# Altium PCB P22296-1-DES-1.2.PcbDoc (part 3 of 5) (continued)
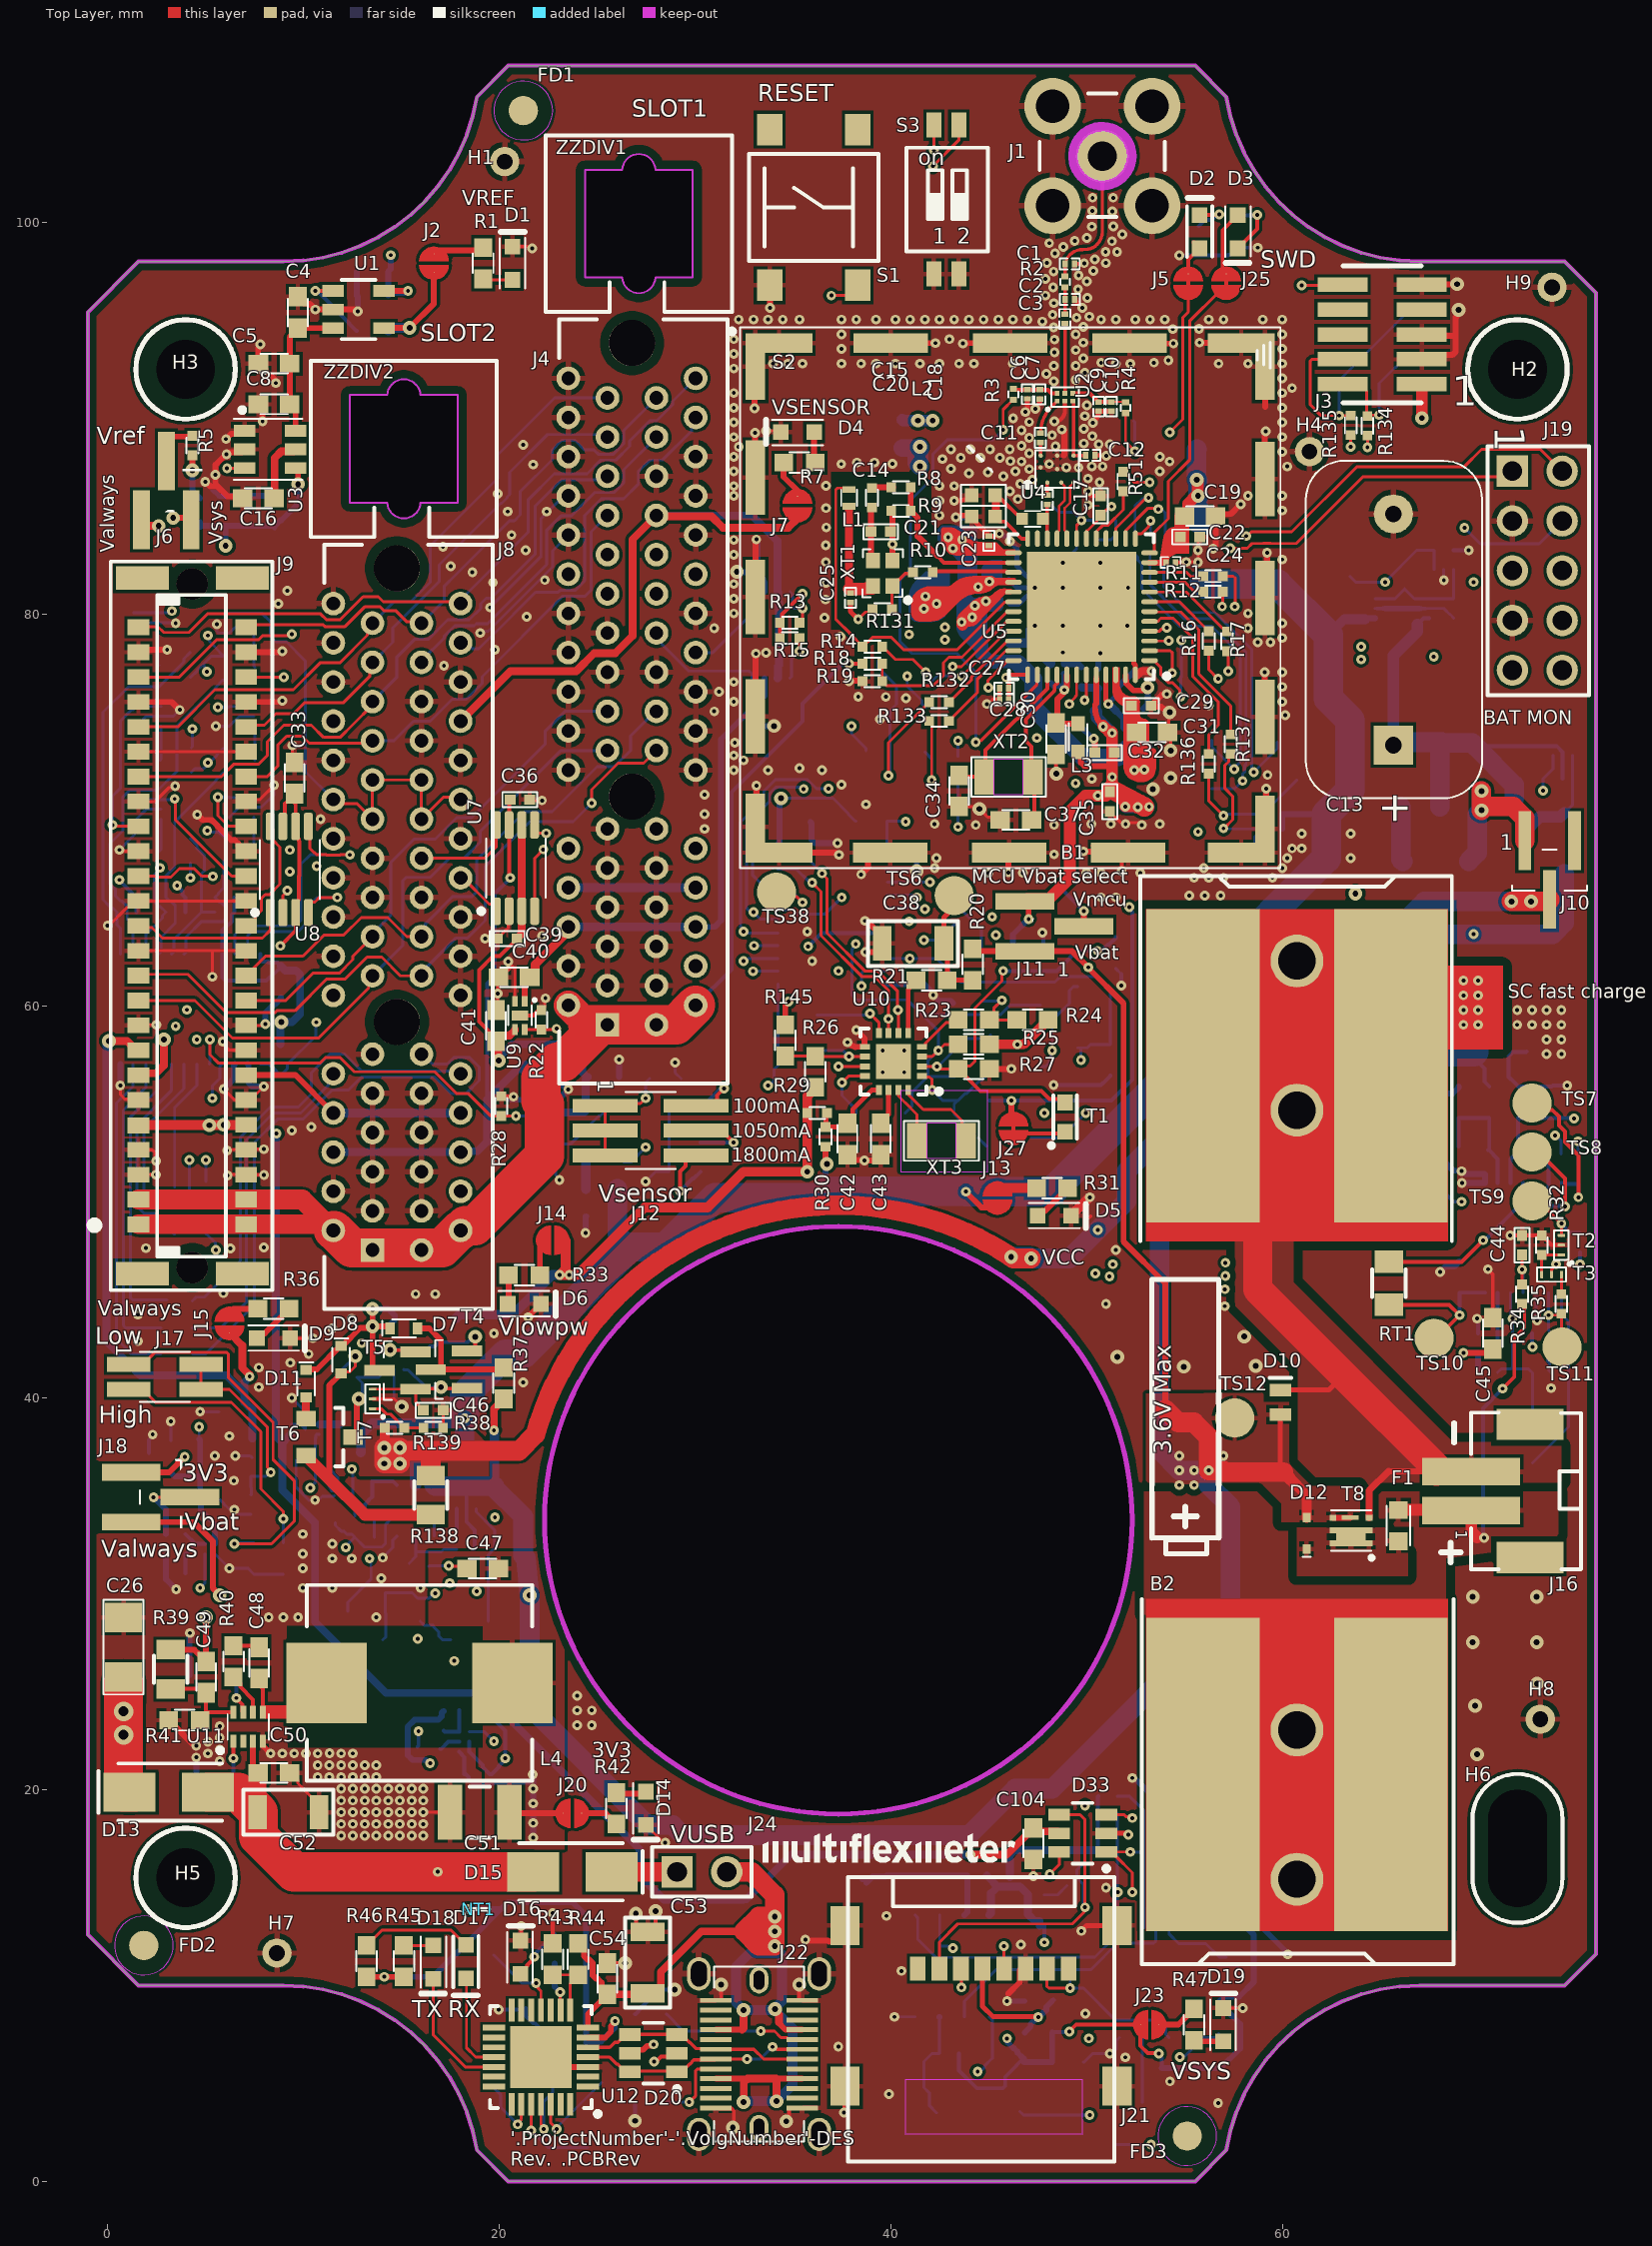
[diagram p0: Top Layer view]
## Nets (pads, with @x,y where several pads share a name; then routed paths per layer and width w, separated by ;. In a path a pad name is that pad's centre, name@x,y a point inside that pad or via, vN(x,y) a via of type N, cw(c..) or ccw(c..) an arc to the next point about the centre after c; other vN are vias at no path point) (continued)
  other v2: 69.938,21.798 69.838,24.284 72.996,25.408 69.713,27.524 72.978,27.524 69.713,29.838 72.978,29.838 54.964,41.585 58.638,41.622 51.564,42.088 58.05,43.125 53.388,71.066 54.288,71.641
  other v3: 39.588,56.616 40.688,56.616 39.588,57.716 40.688,57.716
I2C_bus.SCL: R15.1 R133.1 TS5.1 U7.5 U8.5 U13.5 U15.22 | length 65.5
  Top Layer w0.15: U8.5@10.263,69.166 10.331,69.098 10.331,68.357 10.338,68.351 10.338,68.041 10.539,67.839 10.569,67.839 10.693,67.716 11.19,67.716 11.194,67.712 11.881,67.712 11.885,67.716 v1(12.388,67.716) ; U7.5@21.813,69.241 21.813,68.963 21.96,68.816 v1(22.413,68.816) ; v1(35.338,78.114) R15.1@35.338,78.791 ; R133.1@41.963,74.547 42.088,74.422 v1(42.088,71.532)
  Layer 2 w0.15: v1(22.413,68.816) 22.413,69.267 24.713,71.567 24.713,72.694 24.709,72.698 24.709,73.384 25.236,73.912 26.005,73.912 26.667,74.573 26.667,75.095 27.442,75.87 28.463,75.87 29.505,76.912 31.158,76.912 32.987,78.741 34.71,78.741 v1(35.338,78.114)
  Layer 3 w0.15: v1(12.388,67.716) 12.388,67.288 13.005,66.67 16.417,66.67 17.417,67.67 18.339,67.67 18.96,68.291 21.217,68.291 21.542,68.616 22.15,68.616 22.349,68.816 v1(22.413,68.816) ; v1(35.338,78.114) 36.356,78.114 36.516,78.274 38.85,78.274 38.938,78.186 38.938,71.941 39.667,71.211 41.767,71.211 v1(42.088,71.532)
  Bottom Layer w0.15: U15.22@6.513,62.641 6.513,63.649 6.955,64.091 9.613,64.091 9.886,64.363 9.886,67.235 10.367,67.716 11.19,67.716 11.194,67.712 11.881,67.712 11.885,67.716 v1(12.388,67.716) ; U13.5@34.863,76.741 34.926,76.805 34.926,77.703 v1(35.338,78.114) ; TS5.1@41.738,72.966 42.088,72.616 v1(42.088,71.532)
I2C_bus.SDA: R13.1 R132.1 TS4.1 U7.4 U8.4 U13.4 U15.23 | length 70.6
  Top Layer w0.15: U8.4@10.263,64.766 10.263,65.159 10.41,65.306 10.6,65.306 10.835,65.541 v1(11.735,65.541) ; U7.4@21.813,64.841 21.813,67.541 v1(22.263,67.991) ; R13.1@35.338,79.566 35.488,79.716 v1@35.488,80.278 ; v1(39.888,71.752) 39.888,73.436 R132.1@41.963,75.511
  Layer 2 w0.15: v1(22.263,67.991) 22.228,68.025 22.228,68.328 21.938,68.619 21.938,69.216 24.363,71.641 24.363,71.694 24.367,71.698 24.367,72.384 24.363,72.388 24.363,73.216 24.409,73.262 24.409,73.509 25.112,74.212 25.881,74.212 26.367,74.698 26.367,75.219 27.317,76.17 28.339,76.17 29.381,77.212 31.034,77.212 33.013,79.191 34.388,79.191 v1(35.488,80.291)
  Layer 3 w0.15: v1(11.735,65.541) 12.365,65.541 13.194,66.37 16.542,66.37 17.542,67.37 18.463,67.37 19.084,67.991 21.341,67.991 21.666,68.316 21.937,68.316 v1(22.263,67.991) ; v1(35.488,80.291) 35.504,80.275 35.504,79.935 36.119,79.32 37.72,79.32 37.895,79.145 39.402,79.145 40.257,78.29 40.257,72.122 v1(39.888,71.752)
  Bottom Layer w0.15: U15.23@7.163,62.641 7.163,63.588 7.366,63.791 9.738,63.791 10.238,64.291 10.238,65.041 10.738,65.541 v1(11.735,65.541) ; U13.4@34.863,81.141 34.978,81.026 34.978,80.379 35.066,80.291 v1(35.488,80.291) ; TS4.1@39.444,77.689 39.339,77.584 39.339,77.293 40.293,76.338 40.293,75.4 39.963,75.069 39.963,72.015 39.955,72.007 39.955,71.819 v1(39.888,71.752)
I2C_bus_ext.SCL_11: J9.B13 U8.8 | length 6.2
  Top Layer w0.15: J9.B13@7.088,64.091 7.238,64.091 7.563,64.416 7.563,64.566 7.738,64.741 7.738,64.743 7.863,64.868 7.863,65.493 8.06,65.691 8.288,65.691 8.813,66.216 8.813,68.103 8.439,68.476 8.439,69.039 U8.8@8.313,69.166
I2C_bus_ext.SDA_11: J9.A13 U8.1 | length 8
  Top Layer w0.15: J9.A13@1.588,64.091 1.681,63.997 2.275,63.997 2.806,63.466 7.913,63.466 8.313,63.866 U8.1@8.313,64.766
I2C_sys.SCL: J19.9 R72.1 R91.2 R137.1 TS24.1 U10.7 U14.22 | length 105.6
  Top Layer w0.15: v1(35.988,66.291) 36.443,65.836 36.443,63.591 38.543,61.491 39.197,61.491 39.888,60.801 v1(39.888,59.341) U10.7@39.888,58.616 ; v1(56.988,69.066) 57.009,69.066 57.463,69.519 57.463,70.703 57.063,71.103 57.063,72.288 57.252,72.477 57.252,72.752 R137.1@57.363,72.864
  Layer 2 w0.15: J19.9@71.742,77.141 71.504,76.903 71.504,69.788 70.713,68.997 70.713,58.459 73.919,55.253 v1(73.919,53.381)
  Layer 3 w0.15: v1(35.988,66.291) 37.263,66.291 39.338,68.366 50.034,68.366 50.284,68.116 56.463,68.116 56.988,68.641 v1(56.988,69.066) ; v1(39.888,59.341) 39.919,59.31 40.559,59.31 40.718,59.468 65.886,59.468 71.973,53.381 v1@73.912,53.381
  Bottom Layer w0.15: U14.22@34.238,66.974 35.192,66.974 35.808,66.358 35.921,66.358 v1(35.988,66.291) ; v1(56.988,69.066) 57.013,69.041 R72.1@58.988,69.041 58.579,68.632 58.579,67.882 TS24.1@58.3,67.603 TS24.1@58.238,67.541 ; v1(73.919,53.381) 73.958,53.381 74.212,53.127 R91.2@74.212,52.447
I2C_sys.SDA: J19.10 R70.1 R92.2 R136.1 TS26.1 U10.6 U14.23 | length 107.8
  Top Layer w0.15: v1(36.49,66.766) 36.49,66.756 36.743,66.503 36.743,63.716 38.667,61.791 39.321,61.791 40.332,60.78 40.332,59.815 v1(40.363,59.785) 40.388,59.76 U10.6@40.388,58.616 ; R136.1@56.238,71.864 56.238,70.466 v1(56.988,69.716)
  Layer 2 w0.15: J19.10@74.282,77.141 74.282,74.979 72.025,72.722 72.025,69.712 71.113,68.799 71.113,58.701 74.063,55.751 74.063,55.75 74.341,55.472 74.342,55.472 75.354,54.46 75.354,53.373 v1@75.081,53.099
  Layer 3 w0.15: v1(36.49,66.766) 36.557,66.699 36.689,66.699 36.725,66.662 37.21,66.662 39.213,68.666 50.159,68.666 50.409,68.416 56.263,68.416 56.513,68.666 56.513,69.263 56.966,69.716 v1(56.988,69.716) ; v1(40.363,59.785) 61.744,59.785 61.76,59.768 66.01,59.768 71.922,53.856 74.324,53.856 v1@75.109,53.071
  Bottom Layer w0.15: U14.23@34.238,67.624 35.655,67.624 36.49,66.789 v1(36.49,66.766) ; v1@57.157,69.791 R70.1@58.988,69.791 59.163,69.966 TS26.1@60.738,71.541 ; R92.2@75.089,51.89 v1(75.089,53.091)
I/O_EXP_I\R\Q\_4: R71.1 U5.4 U14.1 | length 25.3
  Top Layer w0.15: U5.4@53.214,79.133 53.223,79.142 53.721,79.142 53.828,79.249 54.03,79.249 v1(54.097,79.316)
  Layer 2 w0.15: v1(40.763,69.416) 41.138,69.791 41.138,74.792 42.538,76.192 42.538,78.428 42.763,78.653 v1(42.763,78.691)
  Layer 3 w0.15: v1(42.763,78.691) 44.384,78.691 45.652,79.958 53.455,79.958 v1(54.097,79.316)
  Bottom Layer w0.15: U14.1@39.838,68.274 39.814,68.298 R71.1@39.814,69.433 40.745,69.433 v1(40.763,69.416)
INT1_11: J4.A21 J4.A22 J4.A23 J4.B21 J4.B22 J4.B23 R59.2 T11.G | length 36.1
  Layer 2 w0.15: J4.A22@23.538,82.041 24.538,83.041 J4.A23@25.538,83.041 J4.A21@25.538,81.041 J4.B21@28.038,81.041 J4.B23@28.038,83.041 29.038,82.041 J4.B22@30.038,82.041
  Layer 3 w0.15: v1(3.29,80.16) 5.549,80.16 5.955,80.566 8.041,80.566 8.541,80.066 8.934,80.066 9.434,80.566 10.39,80.566 11.194,81.37 11.881,81.37 12.685,80.566 16.89,80.566 17.694,81.37 18.381,81.37 18.935,80.816 19.734,80.816 19.984,80.566 22.063,80.566 J4.A22@23.538,82.041
  Bottom Layer w0.15: R59.2@1.33,80.07 3.105,80.07 3.196,80.16 v1(3.29,80.16)
INT2_11: J8.A21 J8.A22 J8.A23 J8.B21 J8.B22 J8.B23 R60.2 T12.G | length 24.4
  Top Layer w0.15: J8.A22@11.538,70.541 11.74,70.339 12.74,70.339 J8.A21@13.538,69.541 J8.A23@13.538,71.541 J8.B23@16.038,71.541 J8.B21@16.038,69.541 17.163,70.666 17.913,70.666 J8.B22@18.038,70.541
  Bottom Layer w0.15: R60.2@6.238,80.041 T12.G@7.488,80.041 7.906,80.041 8.324,79.623 8.324,78.872 8.605,78.591 9.134,78.591 10.113,77.613 10.113,71.966 J8.A22@11.538,70.541
INT3_11: J9.A17 R64.2 T13.G | length 9.2
  Top Layer w0.15: v1(0.263,69.241) 0.357,69.241 0.427,69.171 J9.A17@1.588,69.171
  Bottom Layer w0.15: v1(0.263,69.241) 0.263,70.712 0.66,71.109 0.66,74.541 1.235,75.116 1.313,75.116 R64.2@1.488,75.291 T13.G@2.738,75.291
INT4_11: J9.A15 R63.2 T14.G | length 15.2
  Top Layer w0.15: J9.A15@1.588,66.631 2.434,66.631 2.491,66.575 3.242,66.575 3.683,67.016 4.434,67.016 4.819,66.631 5.369,66.631 v1(5.386,66.614)
  Layer 2 w0.15: v1(5.386,66.614) 6.138,67.366 6.138,74.719 5.672,75.185 5.672,75.219 v1(5.638,75.253)
  Bottom Layer w0.15: v1(5.638,75.253) 6.2,75.253 R63.2@6.238,75.291 T14.G@7.488,75.291
INT5_11: J9.B15 R69.2 T16.G | length 7.8
  Top Layer w0.15: v1(3.438,70.57) 3.479,70.529 3.479,69.5 6.348,66.631 J9.B15@7.088,66.631
  Bottom Layer w0.15: R69.2@1.488,70.541 T16.G@2.738,70.541 3.409,70.541 v1(3.438,70.57)
INT6_11: J9.B17 R68.2 T15.G | length 4.5
  Top Layer w0.15: v1(5.638,70.666) 5.638,69.722 6.024,69.336 6.024,69.311 6.164,69.171 J9.B17@7.088,69.171
  Bottom Layer w0.15: v1(5.638,70.666) 6.217,70.666 R68.2@6.238,70.645 T15.G@7.488,70.645
LOADSW1_11: R22.2 U9.4 U15.4 | length 23.9
  Top Layer w0.15: U9.4@21.313,58.791 22.884,58.791 v1(22.934,58.841)
  Layer 3 w0.15: v1(5.363,55.291) 5.363,56.391 5.602,56.63 10.454,56.63 11.194,57.37 11.881,57.37 12.621,56.63 16.686,56.63 18.896,58.841 v1(22.934,58.841)
  Bottom Layer w0.15: v1(5.363,55.291) 5.363,55.923 5.738,56.298 5.738,56.916 U15.4@5.863,57.041
LOADSW2_11: R28.2 U15.5 U16.4 | length 19.7
  Top Layer w0.15: v1(5.238,58.291) 5.238,57.516 5.658,57.096 10.868,57.096 11.142,57.37 11.881,57.37 12.61,56.641 16.713,56.641 17.813,55.541 18.413,55.541 19.563,54.391 R28.2@20.113,54.391 v1(20.863,54.391)
  Bottom Layer w0.15: U15.5@5.213,57.041 5.238,57.066 v1(5.238,58.291) ; v1(20.863,54.391) U16.4@21.363,54.391
MCU_IRQd\e\t\e\c\t\: R80.1 TS28.1 U5.1 U10.11 | length 52.8
  Top Layer w0.15: v1(37.338,56.916) U10.11@38.688,56.916 ; U5.1@53.214,77.633 53.487,77.633 53.533,77.587 53.533,77.536 53.789,77.28 53.789,76.905 54.181,76.513 54.375,76.513 54.763,76.124 54.763,75.808 v1(54.791,75.78)
  Layer 2 w0.15: v1(37.338,56.916) 37.395,56.974 37.395,57.737 37.313,57.82 37.313,58.342 37.338,58.367 v1(37.338,61.791) ; v1(41.688,63.366) 41.688,64.241 40.209,65.72 40.209,69.534 40.763,70.088 40.763,74.948 41.313,75.498 41.313,77.913 42.288,78.888 42.741,79.341 v1(42.763,79.341)
  Layer 3 w0.15: v1(37.338,61.791) 39.665,61.791 40.773,62.899 41.22,62.899 v1(41.688,63.366) ; v1(42.763,79.341) 42.857,79.341 42.986,79.213 43.006,79.213 43.177,79.041 44.155,79.041 45.372,80.258 54.22,80.258 54.845,79.634 54.845,78.673 v1(54.838,78.666)
  Bottom Layer w0.15: v1(41.688,63.366) 42.463,63.366 TS28.1@43.288,64.191 ; TS28.1@43.725,64.787 44.638,63.874 R80.1@44.638,62.841 ; v1(54.791,75.78) 54.796,75.785 54.796,76.761 54.84,76.804 54.84,77.198 54.838,77.2 v1(54.838,78.666)
MCU_R\S\T\: C17.2 J3.10 J19.6 R84.1 R88.1 TS13.1 TS34.1 U5.18 U10.1 | length 93.2
  Top Layer w0.15: U10.1@41.588,56.416 41.626,56.377 41.977,56.377 42.113,56.242 v1(42.113,55.716) ; U5.18@49.998,83.843 49.998,84.258 50.036,84.258 50.528,84.75 50.528,84.856 C17.2@50.713,85.041 ; C17.2@50.713,85.061 50.898,85.246 50.918,85.246 51.103,85.431 51.207,85.431 v1(51.274,85.498) v1@51.317,85.541 ; v1(60.988,96.791) 63.031,96.791 J3.10@63.063,96.822
  Layer 2 w0.15: v1(40.938,78.966) 40.374,78.402 40.374,77.05 40.305,76.981 40.305,75.51 40.388,75.426 40.388,70.138 39.909,69.658 39.909,64.157 41.689,62.377 41.689,60.356 41.888,60.157 41.888,56.719 42.113,56.494 v1(42.113,55.716) ; v1(60.988,96.791) 60.988,91.369 62.891,89.466 64.191,89.466 68.238,85.42 68.238,83.166 v1(69.763,81.641) 70.207,81.196 73.257,81.196 J19.6@74.282,82.221
  Layer 3 w0.15: v1(40.938,78.966) 41.444,78.966 42.536,80.058 43.988,81.51 43.988,82.291 44.938,83.241 49.513,83.241 51.274,85.003 v1(51.274,85.498) 51.274,87.403 51.763,87.891 51.763,89.066 59.488,96.791 v1(60.988,96.791)
  Bottom Layer w0.15: v1(42.113,55.716) 42.663,55.166 R88.1@43.458,55.166 ; R88.1@43.408,55.166 43.238,54.995 43.238,54.499 TS34.1@44.271,53.466 ; R88.1@43.433,55.166 43.808,55.541 43.891,55.541 44.541,56.191 44.658,56.191 R84.1@45.033,56.566 ; TS34.1@44.478,53.259 TS34.1@44.893,52.844 ; v1(60.988,96.791) 62.488,96.791 TS13.1@62.738,97.041
NetC1_2: C1.2 J1.1 R2.1 | length 7.3
  Top Layer w0.17: R2.1@48.898,97.247 48.898,97.762 cw(c49.716,97.762) 49.138,98.341 cw(c49.801,97.677) 49.801,98.616 49.805,98.62 49.943,98.62 ccw(c49.943,99.439) 50.522,98.86 ccw(c49.858,99.524) 50.797,99.524 50.801,99.528 J1.1@50.801,103.388
NetC2_2: C2.2 C3.1 R2.2 | length 1.2
  Top Layer w0.17: C3.1@48.893,95.307 48.893,95.91 R2.2@48.893,96.532
NetC3_2: C3.2 U2.5 | length 3.4
  Top Layer w0.17: U2.5@48.893,91.282 C3.2@48.893,94.707
NetC4_2: C4.2 C5.2 C8.2 U1.3 U3.6 | length 7.3
  Top Layer w0.3: U3.6@9.613,89.366 9.613,90.416 C8.2@9.313,90.716 C5.2@9.313,92.791 9.313,94.14 9.725,94.553 C4.2@9.725,94.603 U1.3@11.526,94.603
NetC6_2: C6.2 C7.2 R3.1 U2.6 | length 2.3
  Top Layer w0.2: R3.1@46.246,91.462 46.93,91.462 47.616,91.462 48.026,91.462 48.207,91.282 U2.6@48.493,91.282
NetC9_2: C9.2 C10.2 R4.1 U2.4 | length 2.9
  Top Layer w0.115: C10.2@51.269,90.837 51.971,90.837 R4.1@51.988,90.821
  Top Layer w0.2: U2.4@49.293,91.282 50.157,91.282 50.601,90.837 C9.2@50.612,90.837 C10.2@51.269,90.837
NetC11_1: C11.1 U4.C1 | length 0.6
  Top Layer w0.17: U4.C1@47.654,88.097 C11.1@47.654,88.682
NetC11_2: C11.2 U2.1 | length 1.9
  Top Layer w0.17: C11.2@47.654,89.282 cw(c49.489,89.282) 48.191,90.579 U2.1@48.493,90.882
NetC12_2: C12.2 U2.3 U4.C3 | length 3.4
  Top Layer w0.17: U2.3@49.293,90.882 cw(c49.196,90.784) 49.334,90.784 U4.C3@49.334,88.097 C12.2@49.914,88.097 ; C12.2@49.951,88.088 49.951,88.098 C12.2@49.951,88.12
NetC13_+: C13.+ D34.C R67.2 R144.2 T9.D T20.S TS21.1 | length 24.4
  Bottom Layer w0.2: 66.889,79.478 67.201,79.791 T9.D@67.488,79.791 ; 69.684,73.422 69.831,73.275 ; 69.847,73.259 74.004,73.259 74.303,72.96 T20.S@74.303,72.791 R144.2@74.303,71.591
  Bottom Layer w0.6: C13.+@65.662,73.316 65.662,77.897 66.889,79.124 66.889,79.478
  Bottom Layer w1: C13.+@65.662,73.316 65.812,73.466 TS21.1@68.138,73.466 ; R67.2@68.042,70.157 TS21.1@68.042,73.316 68.149,73.422 69.684,73.422 ; 69.86,73.259 71.834,71.285 D34.C@71.834,70.61
NetC14_1: C14.1 C21.2 XT1.3 | length 2.8
  Top Layer w0.3: C14.1@38.972,85.474 38.992,85.454 38.992,84.071 38.992,82.746 XT1.3@39.059,82.679
NetC14_2: C14.2 R8.1 | length 1.1
  Top Layer w0.3: C14.2@38.972,86.474 R8.1@40.12,86.474
NetC15_2: C15.2 C20.2 L2.2 U5.24 | length 5
  Top Layer w0.2: C20.2@45.326,84.983 45.576,84.733 45.828,84.733 46.313,84.248 46.313,84.216 46.681,83.848 U5.24@46.966,83.848 ; C15.2@45.448,86.072 46.762,84.758 L2.2@46.762,84.727
  Top Layer w0.4: C20.2@45.359,85.138 C15.2@45.359,86.077
NetC16_2: C16.2 U3.5 | length 3.3
  Top Layer w0.4: C16.2@8.513,85.916 8.538,85.941 8.538,87.966 8.888,88.316 9.513,88.316 U3.5@9.613,88.416
NetC18_1: C18.1 L2.1 U5.22 | length 1.8
  Top Layer w0.17: U5.22@47.988,83.77 C18.1@47.988,85.562
NetC18_2: C18.2 U4.A1 | length 0.6
  Top Layer w0.17: C18.2@47.988,86.081 U4.A1@47.988,86.71
NetC25_2: C25.2 L1.1 XT1.4 | length 5.4
  Top Layer w0.4: 37.87,81.291 L1.1@37.87,85.474
  Top Layer w0.625: 37.87,81.291 37.938,81.291 38.713,81.291 38.739,81.317 39.047,81.317 39.059,81.329 XT1.4@39.059,81.379
NetC27_2: C27.2 C28.2 J11.2 TS27.1 U5.37 | length 18.4
  Top Layer w0.2: C28.2@46.028,75.641 C27.2@46.028,76.216 ; C27.2@46.028,76.191 46.021,76.197 46.021,76.551 45.888,76.685 v1(45.888,76.766) 45.969,76.766 46.111,76.908 U5.37@46.989,76.908
  Top Layer w0.3: J11.2@49.853,64.066 v1(49.853,64.841)
  Layer 2 w0.2: v1(45.888,76.766) 45.895,76.766 46.163,76.499 46.163,73.705 46.863,73.005 46.863,67.831 v1(49.853,64.841)
  Bottom Layer w0.2: TS27.1@48.738,66.041 48.738,65.956 v1(49.853,64.841)
NetC30_2: C30.2 C68.2 C70.2 L3.2 U5.41 | length 5.9
  Top Layer w0.3: C30.2@48.438,74.441 ccw(c48.51,74.513) 48.51,74.411 C30.2@48.513,74.411 ; C30.2@48.768,74.091 48.738,74.091 48.513,74.316 C30.2@48.513,74.411 ; U5.41@48.998,76.893 48.998,76.267 48.826,76.095 48.826,75.982 48.513,75.669 C30.2@48.513,74.411 ; L3.2@49.563,74.411 C30.2@48.513,74.411
  Bottom Layer w0.3: C68.2@48.189,76.483 48.189,76.463 48.299,76.353 48.59,76.353 48.81,76.133 v1(48.864,76.133) 48.851,76.146 48.851,76.958 48.841,76.968 C70.2@48.839,76.968
NetC34_2: C34.2 U5.39 XT2.2 | length 7.9
  Top Layer w0.2: C34.2@43.486,71.78 43.558,71.708 44.839,71.708 44.839,73.056 47.989,76.206 U5.39@47.989,76.883
NetC37_2: C37.2 U5.40 XT2.1 | length 7.9
  Top Layer w0.2: XT2.1@47.263,71.691 47.189,71.765 47.189,73.251 46.908,73.532 46.908,74.63 48.339,76.061 48.339,76.103 48.364,76.128 48.364,76.34 48.498,76.475 U5.40@48.498,76.893 ; C37.2@47.264,69.828 47.339,69.903 XT2.1@47.339,71.708
NetC38_2: C38.2 R20.2 R21.1 TS6.1 | length 6
  Top Layer w0.25: TS6.1@43.738,65.541 42.713,64.516 C38.2@42.713,63.191 42.888,63.016 R21.1@42.888,61.316 R20.2@44.188,61.316
NetC42_2: C42.2 R29.2 R30.2 U10.13 | length 4.5
  Top Layer w0.25: R29.2@36.738,54.541 36.7,54.503 36.7,53.853 R30.2@36.663,53.816 37.588,53.816 C42.2@37.788,54.016 38.056,54.285 38.056,54.728 39.034,55.706 39.388,55.706 U10.13@39.388,55.716
NetC43_2: C43.2 U10.14 | length 1.9
  Top Layer w0.25: C43.2@39.488,54.016 39.488,54.066 39.888,54.466 U10.14@39.888,55.716
NetC44_2: C44.2 R34.2 U18.4 | length 2.7
  Top Layer w0.15: R34.2@72.238,45.791 v1(72.238,46.541) C44.2@72.238,47.291
  Bottom Layer w0.15: v1(72.238,46.541) 72.288,46.491 U18.4@72.288,45.366
NetC46_2: C46.2 R98.1 T4.G T5.G T7.D T17.G | length 10.9
  Top Layer w0.15: T7.D@13.538,40.441 T5.G@15.738,40.441 ; C46.2@16.142,39.366 16.122,39.366 15.937,39.551 15.937,39.571 15.808,39.7 15.808,39.72 15.738,39.79 T5.G@15.738,40.441 ; T5.G@16.438,40.241 16.238,40.441 17.038,40.441 18.313,40.441 T4.G@18.363,40.491 17.038,40.491 16.238,40.491 15.938,40.491 15.788,40.491 T5.G@15.738,40.441
  Bottom Layer w0.15: T17.G@15.138,41.441 15.138,41.429 15.35,41.429 15.738,41.041 15.763,41.041 16.138,40.666 R98.1@16.138,40.641 16.238,40.541 v2(17.038,40.541) v2@17.138,40.541
NetC48_1: C48.1 L4.1 U11.5 | length 5.1
  Top Layer w0.2: C48.1@7.738,25.341 7.938,25.141 U11.5@7.938,23.941
  Top Layer w0.7: 8.134,23.966 L4.1@9.713,23.966
  Top Layer w0.8: L4.1@9.713,23.966 L4.1@11.188,25.441
NetC48_2: C48.2 R40.2 | length 1.4
  Top Layer w0.2: R40.2@6.438,27.341 7.749,27.341 C48.2@7.749,27.266
NetC49_1: C49.1 R39.1 R41.2 U11.8 | length 5.3
  Top Layer w0.2: R39.1@3.238,25.141 4.838,25.141 C49.1@5.038,24.941 5.038,23.841 R41.2@4.738,23.541 4.763,23.541 5.163,23.941 U11.8@6.438,23.941
NetC55_2: C55.2 C56.2 C57.2 C58.2 C59.2 R146.2 U1.5 U3.3 U3.4 | length 34.4
  Top Layer w0.15: v1(6.113,87.441) 6.988,87.441 U3.3@7.013,87.466
  Top Layer w0.3: U3.4@9.613,87.466 9.738,87.341 v2(9.738,86.641) ; U1.5@14.126,96.503 v1(15.35,96.503)
  Layer 2 w0.3: v2(6.038,83.491) 7.34,84.793 7.34,87.441 ; v1(6.113,87.441) 7.34,87.441 ; v1(14.476,98.329) 14.476,95.777 12.26,93.562 10.816,93.562 9.338,92.083 9.338,89.439 7.34,87.441
  Bottom Layer w0.3: R146.2@4.537,84.49 R146.2@4.738,84.691 ; R146.2@4.738,84.471 4.788,84.521 8.458,84.521 C57.2@8.538,84.441 8.538,84.491 8.838,84.791 8.888,84.791 9.788,85.691 v2@9.788,86.541 ; v2(6.038,83.491) C59.2@6.038,84.441 ; v1(14.476,98.329) 14.476,97.619 C56.2@14.338,97.481 C55.2@14.338,96.265 14.479,96.406 15.199,96.406 15.296,96.503 v1(15.35,96.503)
NetC61_2: C61.2 R53.1 R57.2 | length 1.9
  Bottom Layer w0.15: C61.2@50.488,83.791 51.238,83.791 R57.2@51.488,84.041 R53.1@51.488,84.791
NetC65_1: C65.1 R58.1 T9.G T10.G T21.D | length 5.9
  Bottom Layer w0.15: T10.G@64.738,80.791 65.738,80.791 R58.1@66.238,81.291 66.738,80.791 T9.G@67.488,80.791 67.608,80.791 C65.1@68.738,80.791 T21.D@68.738,82.283
NetC65_2: C65.2 R58.2 T9.S T10.S | length 4.2
  Bottom Layer w0.15: T10.S@64.738,80.291 65.238,80.291 ; 66.988,80.291 67.346,80.291 T9.S@67.488,80.291 68.238,80.291 68.533,79.996 68.553,79.996 68.738,79.811 C65.2@68.738,79.791
  Bottom Layer w0.3: 65.238,80.291 R58.2@66.238,80.291 66.988,80.291
NetC72_2: C72.2 U25.B1 | length 1.1
  Bottom Layer w0.2: C72.2@16.988,22.072 17.038,22.072 17.408,22.442 U25.B1@17.973,22.442
NetC81_2: C81.2 C84.1 R86.2 TS33.1 U18.10 | length 16.2
  Layer 2 w0.2: v1(69.137,50.007) 71.46,50.007 74.589,53.136 74.589,53.973 v1(74.879,54.263)
  Bottom Layer w0.2: TS33.1@67.744,50.991 68.727,50.007 v1(69.137,50.007) ; U18.10@71.638,50.966 71.638,52.191 C84.1@72.088,52.641 72.038,52.691 R86.2@72.038,54.281 C81.2@73.738,54.281 74.861,54.281 v1(74.879,54.263)
NetC82_2: C82.2 C84.2 R87.2 TS35.1 U18.9 | length 6.6
  Bottom Layer w0.2: TS35.1@68.988,52.814 C82.2@68.988,54.281 R87.2@70.563,54.281 70.563,52.716 C84.2@70.488,52.641 ; C84.2@70.513,52.666 70.988,52.191 U18.9@70.988,50.966
NetC87_2: C87.2 R99.2 U18.6 | length 3.1
  Bottom Layer w0.2: R99.2@70.988,42.291 C87.2@70.988,43.291 ; C87.2@70.988,43.291 U18.6@70.988,45.366
NetC92_1: C92.1 D31.A R106.1 T19.G | length 10.6
  Layer 2 w0.15: v1(12.488,36.354) 12.488,36.259 13.388,35.359 v1(13.388,31.791)
  Bottom Layer w0.15: D31.A@12.288,29.091 12.288,29.566 13.463,30.741 13.463,31.528 13.455,31.536 13.455,31.724 v1(13.388,31.791) ; v1(12.488,36.354) 12.538,36.304 R106.1@12.538,35.741 C92.1@12.538,34.941 12.638,34.841 T19.G@12.638,33.941
NetC94_1: C94.1 D29.A R112.1 T18.G | length 6.3
  Bottom Layer w0.15: T18.G@18.838,34.341 18.838,34.171 R112.1@19.768,33.241 C94.1@19.768,32.291 19.683,32.206 19.663,32.206 19.563,32.106 19.563,32.086 19.438,31.961 D29.A@19.438,28.595
NetC95_2: C95.2 R109.2 R114.2 U22.A2 | length 2.9
  Bottom Layer w0.2: R114.2@3.988,31.041 C95.2@3.988,32.041 4.008,32.041 4.193,32.226 4.193,32.246 4.488,32.541 ; R109.2@3.988,33.041 4.488,32.541 ; U22.A2@4.988,32.541 4.488,32.541
NetC96_2: C96.2 U11.7 | length 2.2
  Top Layer w0.2: v1(6.588,24.676) 6.588,24.641 6.887,24.341 6.887,23.991 U11.7@6.937,23.941
  Bottom Layer w0.2: C96.2@6.188,25.841 6.588,25.441 v1(6.588,24.676)
NetC100_2: C100.2 J21.4 R126.2 | length 7.3
  Top Layer w0.254: J21.4@44.681,10.859 44.681,8.935 45.218,8.398 47.508,8.398 v1(47.528,8.377)
  Bottom Layer w0.254: R126.2@48.238,9.198 R126.2@48.304,9.264
  Bottom Layer w0.3: C100.2@46.838,7.598 47.138,7.898 47.138,8.023 47.492,8.377 v1(47.528,8.377) ; v1@47.513,8.398 47.588,8.398 47.938,8.748 47.938,8.898 R126.2@48.238,9.198
NetD1_A: D1.A R1.2 | length 1.5
  Top Layer w0.17: R1.2@19.189,97.119 ccw(c19.31,97.24) 19.31,97.069 D1.A@20.689,97.069
NetD2_A: D2.A J5.1 | length 2
  Top Layer w0.2: J5.1@55.189,97.37 55.189,98.104 D2.A@55.763,98.678 D2.A@55.463,98.978
NetD2_C: D2.C R50.2 | length 2.4
  Top Layer w0.2: D2.C@55.739,100.401 55.751,100.389 56.746,100.389 v1(56.769,100.412)
  Top Layer w0.254: D2.C@55.739,100.401 D2.C@55.763,100.378
  Bottom Layer w0.2: R50.2@55.718,99.81 56.027,100.119 56.395,100.119 56.688,100.412 v1(56.769,100.412)
NetD3_A: D3.A J25.1 | length 3.6
  Top Layer w0.2: J25.1@57.125,97.37 56.938,97.558 56.938,99.599 D3.A@57.716,100.378 ; D3.A@57.753,100.209 D3.A@57.921,100.378